# Altium PCB SolderingStation.PcbDoc (part 2 of 2)
Units mm, origin at the board's own origin, x right, y up, seen from the top; angles counter-clockwise.
Board outline 138.15 x 60.81 mm, 2 copper layers (Top Layer, Bottom Layer), stack 1.671 mm thick; 227 components, 141 nets, 684 pads, 483 vias.
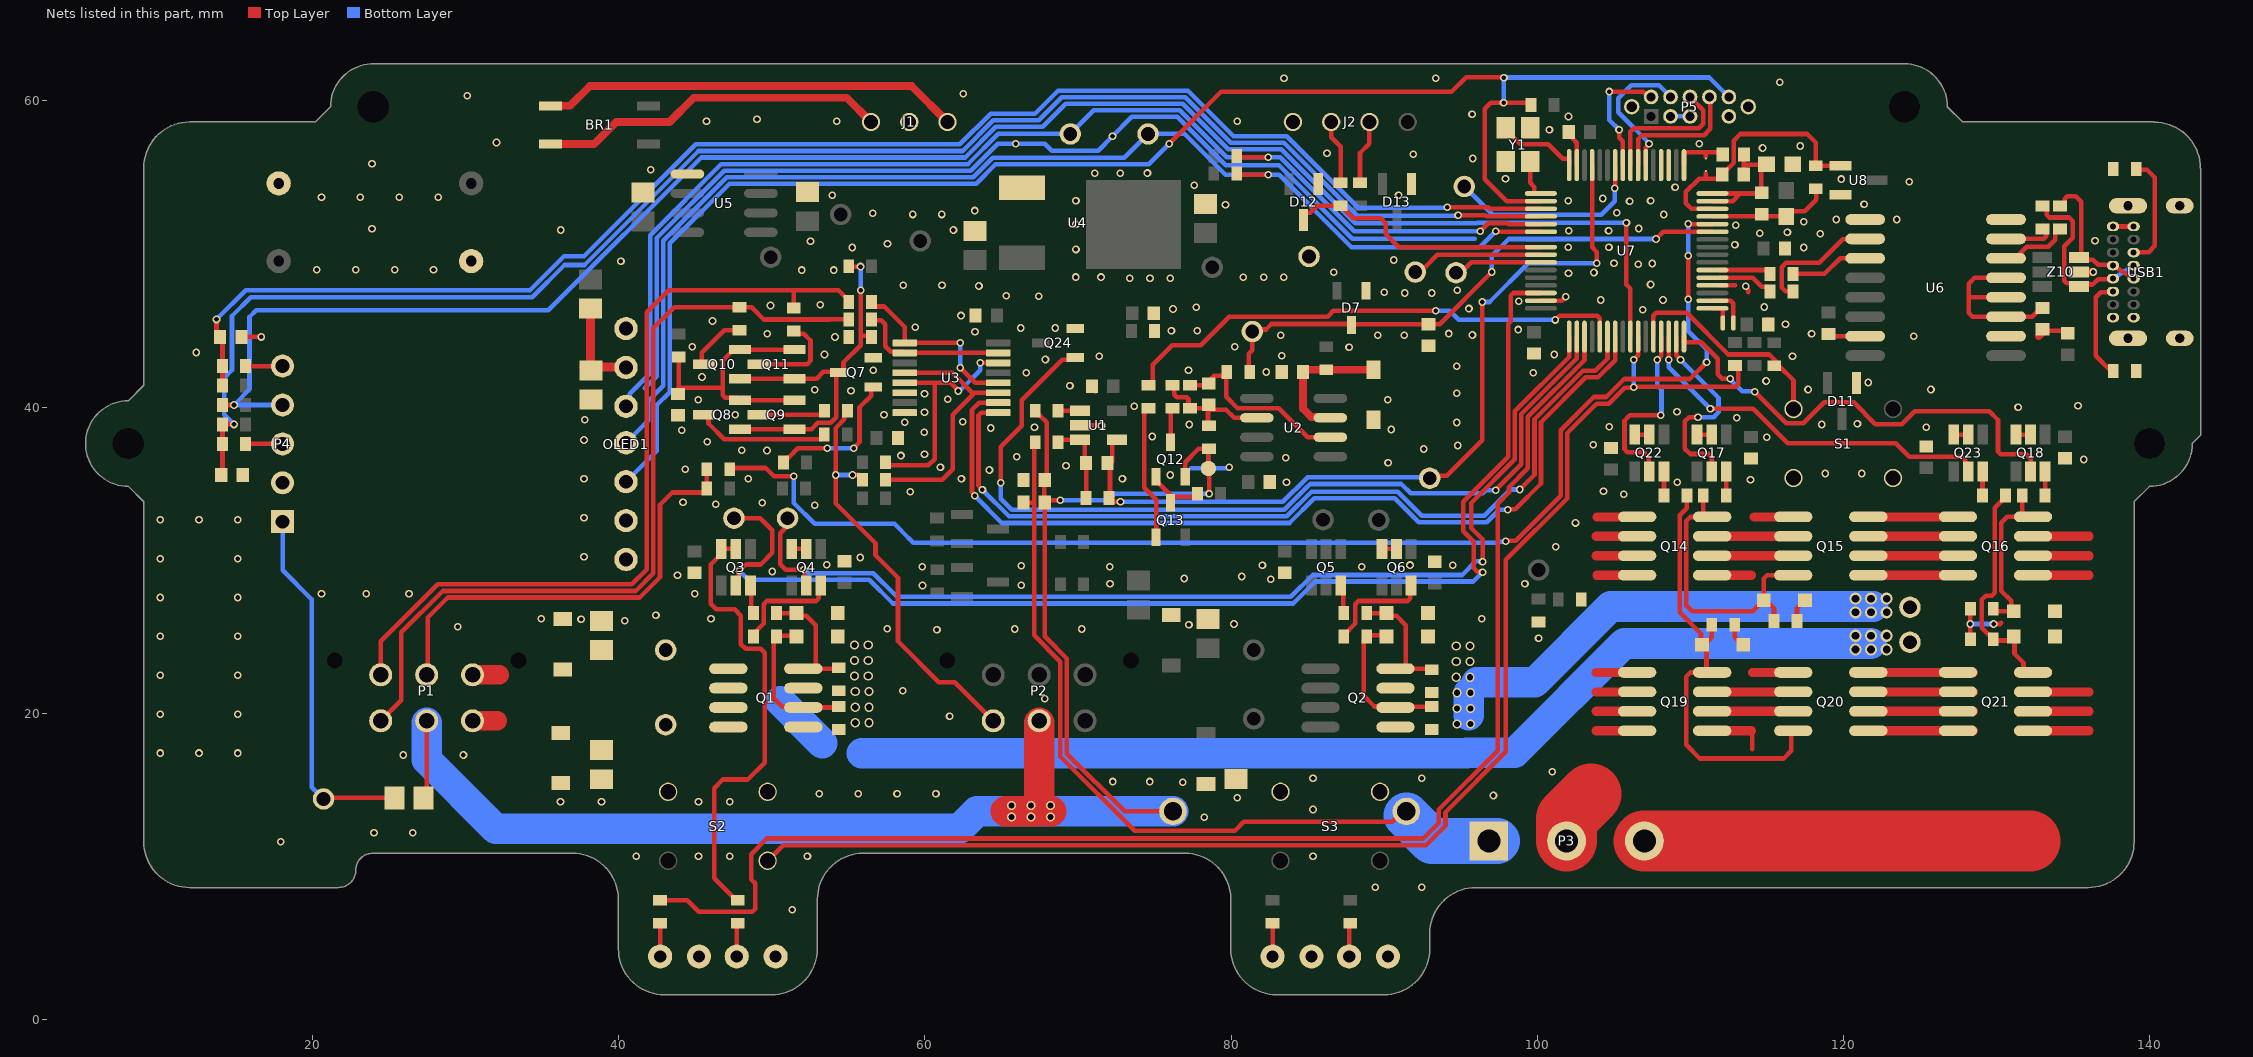
[diagram p2: the nets of this part, all layers, seen from the top]

## Via types
v1: diameter 0.5, hole 0.3, Top Layer to Bottom Layer, tented both sides, 440 vias
v2: diameter 0.6, hole 0.4, Top Layer to Bottom Layer, tented both sides, 30 vias
v3: diameter 0.8, hole 0.5, Top Layer to Bottom Layer, tented both sides, 12 vias
v4: diameter 0.75, hole 0.3, Top Layer to Bottom Layer, tented both sides, 1 vias

## Nets (pads, with @x,y where several pads share a name; then routed paths per layer and width w, separated by ;. In a path a pad name is that pad's centre, name@x,y a point inside that pad or via, vN(x,y) a via of type N, cw(c..) or ccw(c..) an arc to the next point about the centre after c; other vN are vias at no path point) (continued)
CH1b_Thm+: P2.3 R30.1 R38.2 | length 27.2
  Top Layer w0.3: R30.1@54.737,39.752 54.737,39.202 54.164,38.629 v1(54.164,35.56) 54.164,33.701 56.769,31.095 56.769,30.328 58.242,28.854 58.242,24.702 60.908,22.036 61.934,22.036 P2.3@64.461,19.509 ; v1(55.27,35.56) 55.704,35.56 55.904,35.36 R38.2@55.904,35.307
  Bottom Layer w0.3: v1(54.164,35.56) v1(55.27,35.56)
Ch1V12En: Q17.2 U7.63 | length 13.2
  Top Layer w0.3: U7.63@109.077,44.599 109.077,43.375 109.347,43.105 v1(109.347,43.099) ; v1(110.49,39.345) 109.906,39.345 109.626,39.065 109.626,37.287 109.982,36.932 111.176,36.932 111.379,36.728 Q17.2@111.379,35.803
  Bottom Layer w0.3: v1(109.347,43.099) 111.83,40.616 111.83,39.66 111.515,39.345 v1(110.49,39.345)
Ch1V24En: Q18.2 U7.64 | length 30.6
  Top Layer w0.3: U7.64@109.577,44.599 109.577,44.221 110.693,44.221 111.773,43.142 111.773,42.151 112.065,41.859 v1(112.605,41.859) ; v1(114.198,40.996) 116.256,38.938 117.373,38.938 118.745,40.31 120.65,40.31 122.072,38.887 123.81,38.887 124.644,39.721 129.519,39.721 130.086,39.154 130.086,37.082 130.262,36.906 131.933,36.906 132.212,36.627 132.212,35.808 Q18.2@132.207,35.803
  Bottom Layer w0.3: v1(112.605,41.859) 112.605,41.805 112.705,41.705 112.705,41.702 113.384,41.023 114.171,41.023 v1(114.198,40.996)
CH2_ACT: Q3.4 Q3.5 R9.2 | length 30.1
  Top Layer w0.3: Q3.5@47.572,30.599 Q3.5@47.713,30.74 ; Q3.5@47.572,30.74 46.763,30.74 46.588,30.565 46.588,30.306 45.999,29.718 45.999,27.153 46.371,26.781 47.568,26.781 47.973,26.377 47.973,24.519 48.285,24.206 49.276,24.206 49.542,23.941 49.542,16.776 48.438,15.672 46.787,15.672 46.228,15.113 46.228,9.237 47.676,7.789 R9.2@47.776,7.789
CH2_BTN: R54.1 S2.2 U7.58 | length 91.1
  Top Layer w0.3: S2.2@49.726,10.367 50.75,11.392 92.728,11.392 93.996,12.659 93.996,13.54 97.945,17.49 97.945,30.027 101.944,34.025 101.944,38.307 103.864,40.227 104.669,40.227 105.705,41.264 106.261,41.264 v1(106.299,41.302) ; v1@106.299,41.321 112.956,41.321 113.132,41.497 R54.1@113.132,42.545 ; v1(106.299,43.099) 106.301,43.099 106.577,43.375 U7.58@106.577,44.599
  Bottom Layer w0.3: v1(106.299,41.302) v1@106.299,43.077
CH2_ID: P1.5 R11.1 R13.1 | length 29.4
  Top Layer w0.3: P1.5@27.456,22.509 27.537,22.591 27.537,26.257 28.841,27.56 41.378,27.56 42.697,28.88 42.697,33.63 43.486,34.418 R11.1@45.744,34.418 ; R11.1@45.744,34.672 R13.1@45.744,35.942
CH2_ID2: R13.2 U7.12 | length 85.1
  Top Layer w0.3: R13.2@47.244,35.942 47.322,36.02 49.603,36.02 50.144,35.479 v1(51.435,35.479) ; v1(97.936,31.234) 97.974,31.272 98.587,31.272 101.517,34.202 101.517,38.484 103.687,40.654 104.492,40.654 105.666,41.829 109.952,41.829 v1(111.049,42.926) ; v1(109.855,47.036) v1(109.855,49.886) ; v1(109.855,51.976) 109.882,51.949 U7.12@111.427,51.949
  Bottom Layer w0.3: 51.435,35.225 51.435,33.731 52.799,32.367 58.008,32.367 58.959,31.417 58.962,31.417 59.24,31.139 97.483,31.139 97.54,31.196 97.898,31.196 v1(97.936,31.234) ; v1(109.855,47.036) 109.855,44.958 111.049,43.764 v1(111.049,42.926) ; v1(109.855,49.886) v1(109.855,51.976)
CH2_SB: D12.3 R56.1 U7.40 | length 17.6
  Top Layer w0.3: D12.3@84.733,52.269 84.733,52.544 84.883,52.694 85.158,52.694 85.616,53.152 R56.1@87.146,53.152 87.246,53.152 87.446,52.952 87.446,52.852 87.974,52.324 89.759,52.324 90.094,51.989 90.094,51.303 90.948,50.449 U7.40@100.227,50.449
CH2_SEL: R62.2 U7.51 | length 91.7
  Top Layer w0.3: R62.2@42.696,7.789 44.486,7.789 45.236,7.039 48.731,7.039 48.907,7.215 48.907,8.891 48.653,9.145 48.653,10.796 49.675,11.819 92.551,11.819 93.569,12.836 93.569,13.717 97.409,17.557 97.409,33.68 98.146,34.417 98.146,34.773 99.382,36.009 99.382,39.368 103.077,43.063 U7.51@103.077,44.599
CH2a_DRVn: D2a.1 Q3.2 U7.46 | length 80.4
  Top Layer w0.3: D2a.1@47.523,32.741 49.251,32.741 50.038,31.953 50.038,30.48 49.276,29.718 48.285,29.718 47.841,29.273 47.841,28.468 Q3.2@47.713,28.34 ; v1(96.418,29.205) 96.38,29.243 96.075,29.243 95.834,29.485 95.834,31.212 95.148,31.898 95.148,33.806 98.101,36.758 98.101,45.439 98.247,45.585 98.247,47.273 98.423,47.449 U7.46@100.227,47.449
  Bottom Layer w0.3: v1(47.879,29.312) 48.463,28.727 56.359,28.727 57.915,27.172 84.06,27.172 85.494,28.606 95.819,28.606 v1(96.418,29.205)
CH2a_Htr+: C3.1 D1.K H2a.1 P1.4 Q1.5 Q1.6 | length 1.7
  Top Layer w1.27: P1.4@30.471,22.514 32.193,22.514
CH2a_Thm+: P1.6 R31.1 R36.2 | length 53.8
  Top Layer w0.3: P1.6@24.456,22.509 24.456,24.699 28.171,28.414 40.86,28.414 41.834,29.388 41.834,46.203 43.258,47.626 51.525,47.626 ; R31.1@51.435,46.47 51.435,47.536 51.525,47.626 ; R36.2@54.91,46.722 54.91,47.069 54.353,47.626 51.525,47.626
CH2b_DRVn: D2b.1 Q4.2 U7.49 | length 69.3
  Top Layer w0.3: D2b.1@51.029,32.244 50.546,31.761 50.546,29.736 50.907,29.375 v1(52.094,29.375) ; D2b.1@51.029,32.498 D2b.1@51.029,32.741 ; Q4.2@52.121,28.34 v1@52.121,29.261 ; v1(96.418,29.891) 96.418,31.364 95.682,32.101 95.682,33.735 98.528,36.581 98.528,39.722 102.077,43.271 U7.49@102.077,44.599
  Bottom Layer w0.3: v1(52.094,29.375) 52.148,29.375 52.369,29.154 56.621,29.154 58.177,27.599 83.883,27.599 85.318,29.033 95.103,29.033 95.986,29.916 96.393,29.916 v1(96.418,29.891)
CH2b_Htr+: C4.1 D2.K H2b.1 P1.1 Q1.7 Q1.8 | length 1.7
  Top Layer w1.27: P1.1@30.344,19.514 32.066,19.514
CH2b_Thm+: P1.3 R33.1 R34.2 | length 54.1
  Top Layer w0.3: P1.3@24.456,19.509 25.799,20.853 25.799,25.281 28.506,27.987 41.119,27.987 42.266,29.134 42.266,45.163 43.623,46.521 48.678,46.521 49.479,45.72 53.772,45.72 53.773,45.721 R34.2@55.015,45.721
Ch2V12En: Q22.2 U7.61 | length 12.5
  Top Layer w0.3: Q22.2@107.315,35.803 107.265,35.853 107.265,36.727 106.934,37.059 105.865,37.059 105.689,37.234 105.689,39.116 106.045,39.472 v1(108.052,39.472) ; v1(107.823,43.099) 108.077,43.353 U7.61@108.077,44.599
  Bottom Layer w0.3: v1(107.823,43.099) 107.823,41.402 108.106,41.119 108.106,39.667 108.09,39.651 108.09,39.51 v1(108.052,39.472)
Ch2V24En: Q23.2 U7.62 | length 24.7
  Top Layer w0.3: U7.62@108.577,44.599 108.577,43.107 v1(108.585,43.099) ; v1(111.303,39.878) 114.108,39.878 115.397,38.589 116.343,37.643 123.393,37.643 124.285,36.751 127.719,36.751 127.943,36.527 127.943,36.003 Q23.2@128.143,35.803
  Bottom Layer w0.3: v1(108.585,43.099) 108.585,42.596 v1(111.303,39.878)
Clamp: Q24.1 U7.50 | length 57.6
  Top Layer w0.3: v1(64.948,35.052) 64.948,37.414 66.319,38.786 66.319,40.437 68.968,43.086 69.675,43.086 Q24.1@69.825,43.236 ; v1(97.282,34.569) 97.282,34.59 98.955,36.263 98.955,39.545 102.577,43.167 U7.50@102.577,44.599
  Bottom Layer w0.3: v1(64.948,35.052) 64.948,34 65.666,33.282 83.454,33.282 85.069,34.897 85.082,34.897 85.16,34.976 91.11,34.976 91.723,34.363 96.436,34.363 96.642,34.569 v1(97.282,34.569)
COM: C9.1 C14.1 L2.2 NT1.2 P1.2 P2.2 Q12.2 R14.2 R19.2 R26.1 | length 115.5
  Top Layer w0.3: L2.2@27.063,14.54 27.251,14.352 27.456,14.557 P1.2@27.456,19.382 ; R14.2@67.195,39.751 67.195,39.651 67.395,39.451 67.495,39.451 67.945,39.001 67.945,35.267 C14.1@67.982,35.23 ; C9.1@67.779,33.757 C14.1@67.779,35.23 ; v1(68.834,33.903) 68.128,33.903 67.818,33.592 67.818,25.032 69.273,23.577 69.273,17.354 73.038,13.589 R19.2@76.2,13.589 ; Q12.2@76.998,35.451 76.998,36.407 77.868,37.277 78.484,37.277 R26.1@78.591,37.384 ; NT1.2@78.511,35.992 R26.1@78.511,37.277 ; v1(78.556,34.336) NT1.2@78.556,35.984
  Top Layer w2: 65.278,13.589 68.258,13.589 ; 67.461,14.366 P2.2@67.461,19.382
  Bottom Layer w0.3: v1(68.834,33.903) 71.973,33.903 72.407,34.336 v1(78.556,34.336)
  Bottom Layer w2: P1.2@27.456,19.382 27.456,16.959 31.968,12.447 62.242,12.447 63.383,13.589 R19.2@76.2,13.589
  other v2: 65.659,13.233 66.929,13.233 68.199,13.233 65.659,13.97 66.929,13.97 68.199,13.97
EARTH: ER.1 L2.1 P4.1 | length 23.9
  Top Layer w0.3: ER.1@20.725,14.405 20.799,14.479 L2.1@25.351,14.479
  Bottom Layer w0.3: P4.1@18.046,32.513 18.046,29.338 19.951,27.433 19.951,15.179 ER.1@20.725,14.405
EXTAL: U7.32 Y1.3 | length 5.5
  Top Layer w0.3: Y1.3@97.931,58.238 97.931,58.138 98.899,57.171 100.705,57.171 101.653,56.223 102.077,56.223 U7.32@102.077,55.799
EXTAL32: U7.20
GAIN: R35.2 U7.53 | length 33.6
  Top Layer w0.3: R35.2@74.672,41.492 74.872,41.692 74.872,42.767 76.149,44.044 78.003,44.044 79.869,45.91 86.296,45.91 86.665,46.279 v1(93.37,46.279) ; v1(101.168,45.69) 101.448,45.969 103.901,45.969 104.077,45.793 U7.53@104.077,44.599
  Bottom Layer w0.3: v1(93.37,46.279) 94.285,46.279 94.874,45.69 v1(101.168,45.69)
GND: C1.2 C2.2 C3.2 C4.2 C5.2 C6.2 C7.2 C8.2 C11.2 C12.2 C13.2 C14.2 C17.1 C18.2 C19.2 C20.2 C21.1 C22.2 C23.1 C24.2 C25.1 C26.1 C27.1 C28.2 C29.2 C32.1 C33.1 C34.1 C35.1 C36.1 C38.1 C40.1 C41.1 C42.1 C43.1 D1.A D2.A D3.A D4.A D5.K D6.K D7.1 D8.A D11.1 D12.1 D13.1 D14.K D15.K Gnd.1 J1.2 J2.4 L5.1 NT1.1 OLED1.1 OLED1.2 OLED1.7 P4.2 P5.0 P5.3 P5.5 P5.9 Q7.2 Q24.2 R21.1 R49.1 R72.1 S1.1 S1.1b S2.1 S2.1b S3.1 S3.1b U1.2 U3.6 U3.8 U4.1 U5.5 U6.9 U6.15 U7.4 U7.31 U7.47 U8.2 Y1.2 Y1.4 | length 87.8
  Top Layer w0.3: C36.1@15.506,44.578 v1(16.649,44.578) ; C3.2@38.744,26.151 C3.2@38.874,26.021 ; U1.2@70.135,38.813 v1@71.526,38.813 ; C11.2@70.753,41.351 70.77,41.351 C11.2@71.12,41.001 ; U7.47@100.227,46.949 101.586,46.949 101.851,47.214 v1(101.854,47.214) ; C41.1@101.893,57.958 101.943,57.958 102.293,57.608 102.293,57.558 102.577,57.274 U7.31@102.577,55.799 ; U7.4@111.866,47.952 112.919,47.952 ; P5.9@112.51,58.98 P5.9@112.507,58.982 P5.9@112.531,58.982 ; v1(113.614,47.879) 113.614,47.825 113.784,47.655 113.784,47.502 ; P5.0@113.777,59.416 P5.0@113.777,59.617 ; C33.1@115.061,45.74 115.233,45.568 C33.1@115.349,45.568 ; C32.1@119.173,44.711 119.253,44.631 U6.15@121.408,44.631 U6.15@121.889,44.631
  Top Layer w0.6: P4.2@17.802,35.053 P4.2@18.046,35.053
  Bottom Layer w0.3: 41.694,41.237 42.478,42.022 42.478,51.042 46.88,55.443 62.987,55.443 64.748,57.204 v1(65.937,57.204) 67.825,57.204 68.285,56.744 71.308,56.744 v1(72.249,57.685) 73.518,58.953 76.472,58.953 79.646,55.78 83.122,55.78 87.904,50.998 95.917,50.998 ; 77.394,35.992 NT1.1@78.511,35.992 ; NT1.1@78.511,35.789 NT1.1@78.511,35.992 ; 78.511,36.855 NT1.1@78.511,35.992 ; v1@79.807,35.992 NT1.1@78.511,35.992 ; P5.3@108.697,58.982 P5.5@109.967,58.982 ; P5.9@112.507,58.982 P5.9@112.531,58.982
  other v1: 51.332,7.166 89.408,8.636 92.456,8.636 41.148,10.668 45.212,10.668 47.244,10.668 52.324,10.668 85.344,10.668 17.931,11.611 24.015,12.193 26.555,12.193 78.232,13.208 85.344,13.716 36.195,14.224 38.874,14.225 45.212,14.224 47.244,14.224 80.391,14.478 97.13,14.63 53.098,14.733 55.638,14.733 58.178,14.733 60.718,14.733 76.835,15.494 72.263,15.54 74.676,15.54 85.344,15.748 92.456,15.748 100.965,16.175 25.92,17.273 29.857,17.273 10.045,17.4 12.585,17.4 15.125,17.4 61.607,19.813 10.045,19.94 15.125,19.94 67.83,20.956 58.559,21.464 10.045,22.48 15.125,22.48 100.076,24.892 10.045,25.02 15.125,25.02 60.782,25.451 65.862,25.502 70.231,25.502 57.543,25.528 29.476,25.655 77.241,25.781 80.188,25.832 40.398,26.036 34.937,26.163 37.539,26.151 46.025,26.162 96.368,26.183 42.43,26.392 10.045,27.56 15.125,27.56 20.586,27.814 23.507,27.814 26.301,27.814 44.958,27.813 59.842,28.346 66.294,28.367 72.085,28.448 99.187,28.448 82.575,28.753 76.937,28.804 80.696,28.931 43.84,29.007 50.038,29.261 59.817,29.577 72.06,29.577 88.519,29.566 66.294,29.637 82.042,29.667 91.679,29.679 94.463,29.662 53.594,29.693 10.045,30.1 15.125,30.1 55.778,30.175 37.731,30.227 101.194,30.882 102.489,32.431 10.045,32.64 12.585,32.64 15.125,32.64 37.731,32.767 52.807,33.579 46.33,33.655 49.378,33.757 44.196,33.782 105.639,34.315 59.03,34.468 104.318,34.493 83.617,35.077 109.144,35.077 113.919,35.255 37.731,35.307 48.463,35.306 62.382,35.306 72.898,35.306 76.022,35.56 118.796,35.662 121.183,35.662 64.211,35.89 44.335,35.942 61.011,36.068 79.883,36.068 69.215,36.17 90.246,36.373 135.687,36.576 83.566,36.678 65.989,36.754 58.432,36.831 59.969,36.906 49.682,37.16 48.031,37.186 92.583,37.257 94.793,37.486 103.657,37.541 45.771,37.744 37.731,37.847 114.986,38.024 74.854,38.075 59.944,38.354 44.12,38.481 90.449,38.532 64.287,38.633 67.158,38.684 125.4,38.684 104.699,38.71 71.526,38.786 77.267,38.862 118.567,38.862 120.904,38.913 94.742,38.989 58.674,39.014 62.459,39.04 37.77,39.167 113.03,39.294 47.6,39.497 57.328,39.497 59.969,39.649 109.118,39.7 131.394,39.98 73.66,40.056 135.306,40.081 45.187,40.488 90.221,40.488 61.493,40.513 59.969,40.869 94.742,40.894 55.169,41.072 52.807,41.123 117.678,41.148 125.705,41.143 69.469,41.402 121.615,41.605 114.935,41.702 45.441,41.961 66.624,42.24 99.72,42.235 82.296,42.291 56.617,42.393 77.216,42.393 94.742,42.672 67.869,43.104 71.374,43.307 116.662,43.307 83.312,43.358 53.442,43.434 101.092,43.434 12.403,43.562 87.7,43.9 44.806,43.942 80.239,43.942 54.127,44.577 124.587,44.623 83.236,44.679 89.573,44.7 91.3,44.7 95.758,44.704 49.708,44.78 117.907,44.78 94.2,44.8 63.271,44.907 76.098,44.983 77.775,44.983 98.755,45.06 66.255,45.163 68.504,45.161 59.36,45.215 116.205,45.415 46.126,45.618 62.357,45.974 106.883,46.355 76.2,46.406 95.529,46.431 77.724,46.507 114.808,46.533 49.911,46.634 53.162,46.685 98.774,46.914 104.14,46.99 108.204,46.99 67.437,47.244 65.303,47.269 91.338,47.447 93.091,47.447 89.992,47.498 94.767,47.625 63.525,47.904 58.572,47.955 61.112,47.955 107.391,48.006 73.381,48.412 74.701,48.412 76.022,48.412 69.85,48.489 71.501,48.489 80.797,48.485 82.118,48.485 83.439,48.485 102.032,48.743 86.69,48.793 103.694,48.787 51.951,48.946 54.051,48.946 20.281,48.973 22.821,48.973 25.361,48.973 27.901,48.973 106.578,49.327 105.004,49.384 107.493,49.378 40.144,49.531 90.627,49.606 69.862,50.293 55.257,50.42 117.399,50.419 102.006,50.446 104.673,50.444 112.903,50.597 57.556,50.673 52.527,50.825 118.466,51.308 114.529,51.359 116.332,51.41 102.057,51.505 104.648,51.505 36.207,51.563 61.861,51.563 23.888,51.646 106.629,51.664 112.954,51.867 69.862,51.944 117.399,52.095 119.531,52.251 123.468,52.251 59.194,52.579 61.099,52.579 108.255,52.578 56.591,52.654 105.181,52.68 63.258,52.833 79.629,53.213 121.336,53.238 106.02,53.442 69.862,53.468 102.006,53.467 107.391,53.467 104.267,53.619 20.586,53.697 23.126,53.697 25.666,53.697 28.206,53.697 53.95,53.823 90.932,53.843 108.991,54.356 77.597,54.483 124.282,54.712 119.837,54.889 97.917,54.91 71.095,55.27 72.746,55.27 74.531,55.282 42.085,55.489 23.888,55.881 95.783,56.236 91.897,56.51 86.258,56.586 114.706,56.921 117.17,57.048 110.566,57.201 32.016,57.278 100.787,58.11 45.732,58.675 54.241,58.675 80.391,58.674 49.034,58.802 102.032,58.974 95.733,59.126 30.111,60.326 62.496,60.453 115.824,61.214 83.451,61.469 93.357,61.469
Gnd_USB: C30.1 C31.1 R55.2 R58.2 U6.2 U6.8 USB1.A1 USB1.A12 USB1.B1 USB1.B12 USB1.SH Z10.2 | length 4.7
  Top Layer w0.3: 132.7,44.631 C31.1@132.993,44.924 ; C31.1@132.993,44.877 133.089,44.973 C30.1@134.644,44.973 ; USB1.A12@137.596,51.792 USB1.B1@138.945,51.792
  Top Layer w0.508: 132.747,44.631 C31.1@132.993,44.877 ; Z10.2@135.374,48.822 v1(136.295,48.822)
  other v1: 136.422,50.854
MUX_SEL0: U3.9 U7.54 | length 56.9
  Top Layer w0.3: v1(63.754,34.59) 63.754,34.612 63.5,34.866 63.5,39.461 63.676,39.636 U3.9@64.684,39.636 ; v1(98.857,34.615) 99.809,35.568 99.809,39.192 102.98,42.362 103.784,42.362 104.577,43.155 U7.54@104.577,44.599
  Bottom Layer w0.3: v1(63.754,34.59) 65.489,32.855 83.631,32.855 85.246,34.47 90.879,34.47 92.445,32.904 96.522,32.904 98.233,34.615 v1(98.857,34.615)
MUX_SEL1: U3.10 U7.55 | length 59.6
  Top Layer w0.3: v1(63.246,34.209) 63.246,34.263 63.073,34.436 63.073,39.813 63.546,40.286 U3.10@64.684,40.286 ; v1(98.075,33.289) 98.113,33.327 98.559,33.327 100.236,35.004 100.236,39.015 103.157,41.935 103.961,41.935 105.077,43.051 U7.55@105.077,44.599
  Bottom Layer w0.3: v1(63.246,34.209) 65.027,32.428 83.808,32.428 85.423,34.043 90.696,34.043 92.262,32.477 96.699,32.477 97.511,33.289 v1(98.075,33.289)
NetBR1_3: BR1.3 J1.1 | length 27.4
  Top Layer w0.508: BR1.3@35.547,59.671 36.822,59.671 38.112,60.961 59.132,60.961 J1.1@61.476,58.617
NetBR1_4: BR1.4 J1.3 | length 22.8
  Top Layer w0.508: BR1.4@35.547,57.171 38.386,57.171 39.832,58.617 43.319,58.617 44.901,60.199 54.894,60.199 J1.3@56.476,58.617
NetC10_1: C10.1 R16.1 R17.1 U1.3 | length 5.1
  Top Layer w0.3: R16.1@68.783,37.797 68.849,37.863 U1.3@70.185,37.863 ; U1.3@70.446,37.797 70.446,36.678 70.522,36.601 R17.1@70.522,34.138
NetC12_1: C12.1 D8.K R22.2 U2.7 | length 9.1
  Top Layer w0.508: U2.7@86.48,39.297 85.655,39.297 85.609,39.343 85.244,39.343 84.698,39.889 84.698,42.095 84.633,42.16 84.633,42.219 84.844,42.43 R22.2@86.208,42.43 89.29,42.43 D8.K@89.3,42.44
NetC16_1: C16.1 R26.2 R27.1 R28.1 U2.2 | length 7.1
  Top Layer w0.3: R27.1@76.196,41.417 R27.1@76.198,41.419 ; R27.1@76.225,41.415 76.277,41.363 76.277,40.816 76.453,40.64 77.115,40.64 77.215,40.54 77.215,39.989 77.29,39.914 77.292,39.915 78.411,39.915 C16.1@78.461,39.866 ; R26.2@78.484,38.777 78.484,39.817 79.664,39.817 80.191,39.29 U2.2@80.836,39.29
NetC16_2: C16.2 R28.2 R29.2 U2.6 | length 12.5
  Top Layer w0.3: R28.2@77.292,41.415 78.31,41.415 78.461,41.566 78.461,41.616 78.881,42.037 79.517,42.037 79.641,42.161 79.68,42.122 79.68,40.665 80.416,39.929 83.109,39.929 85.01,38.027 U2.6@86.48,38.027 ; C16.2@78.461,41.559 C16.2@78.727,41.293
NetC17_2: C17.2 Q8.2 Q9.2 Q10.2 Q11.2 R24.2 | length 17.1
  Top Layer w0.3: C17.2@43.866,41.007 44.108,41.25 46.787,41.25 ; 43.885,41.268 43.917,41.3 R24.2@43.917,43.268 ; 49.671,43.75 47.498,43.75 47.348,43.6 47.348,43.597 46.787,43.037 46.787,41.25 ; 49.694,43.75 Q11.2@51.479,43.75 ; Q9.2@51.479,40.448 Q8.2@47.923,40.448 47.773,40.598 46.963,40.598 46.787,40.774 46.787,41.25
NetC40_2: C40.2 L3.2 OLED1.6 | length 6.6
  Top Layer w0.6: C40.2@37.731,42.612 40.449,42.612 OLED1.6@40.476,42.585 ; C40.2@38.151,42.608 L3.2@38.151,46.442
NetD5_A: D5.A R9.1 | length 2.3
  Top Layer w0.3: D5.A@47.766,4.177 D5.A@47.706,4.117 47.706,6.219 R9.1@47.776,6.289
NetD6_A: D6.A R10.1 | length 2.4
  Top Layer w0.3: R10.1@87.781,6.289 87.706,6.214 D6.A@87.706,4.117 D6.A@87.858,4.269
NetD14_A: D14.A R59.2 | length 2.3
  Top Layer w0.3: R59.2@82.701,6.289 82.706,6.284 D14.A@82.706,4.117 D14.A@82.792,4.203
NetD15_A: D15.A R62.1 | length 2.2
  Top Layer w0.3: R62.1@42.696,6.289 42.706,6.279 D15.A@42.706,4.117 D15.A@42.726,4.137
NetJ2_2: J2.2 R52.2 | length 4.2
  Top Layer w0.3: R52.2@88.416,54.652 88.416,56.589 89.031,57.204 J2.2@89.031,58.617
NetJ2_3: J2.3 R56.2 | length 4.2
  Top Layer w0.3: J2.3@86.531,58.617 86.531,57.627 87.146,57.012 R56.2@87.146,54.652
NetP4_3: P4.3 R67.1 | length 2.4
  Top Layer w0.3: R67.1@15.621,37.593 P4.3@18.046,37.593
NetP4_5: P4.5 R66.1 | length 2.4
  Top Layer w0.3: R66.1@15.621,42.673 P4.5@18.046,42.673
NetQ1_2: Q1.2 R2.1 R6.2 Z2.A | length 9.7
  Top Layer w0.3: R6.2@50.19,25.071 51.502,25.071 Z2.A@51.522,25.091 ; R6.2@50.3,25.02 50.124,24.845 50.124,20.992 50.684,20.433 51.998,20.433 Q1.2@52.057,20.374 54.052,20.374 R2.1@54.114,20.436
NetQ1_4: Q1.4 R1.1 R5.2 Z1.A | length 7.6
  Top Layer w0.3: R5.2@50.19,26.544 50.194,26.54 Z1.A@51.268,26.54 ; Z1.A@51.333,26.413 Z1.A@51.379,26.367 ; Z1.A@51.522,26.54 51.7,26.362 52.246,26.362 52.861,25.747 Q1.4@52.861,23.025 ; Q1.4@52.057,22.914 52.861,22.914 54.052,22.914 R1.1@54.114,22.976
NetQ2_2: Q2.2 R4.1 R8.2 Z4.A | length 9.8
  Top Layer w0.3: R8.2@88.85,25.02 88.656,24.827 88.656,21.143 89.36,20.439 90.662,20.439 Q2.2@90.727,20.374 90.789,20.436 R4.1@92.784,20.436 ; R8.2@88.86,25.147 88.916,25.091 Z4.A@90.192,25.091
NetQ2_4: Q2.4 R3.1 R7.2 Z3.A | length 7.7
  Top Layer w0.3: R7.2@88.744,26.54 Z3.A@89.818,26.54 ; Z3.A@90.25,26.362 90.796,26.362 91.411,25.747 Q2.4@91.411,23.025 ; Q2.4@90.566,23.075 Q2.4@90.727,22.914 R3.1@92.722,22.914 ; R3.1@92.784,22.976 R3.1@92.722,22.914 ; R3.1@92.849,22.849 92.784,22.914 R3.1@92.722,22.914
NetQ3_1: Q3.1 R5.1 | length 1.8
  Top Layer w0.3: Q3.1@48.663,28.34 48.663,26.572 R5.1@48.69,26.544
NetQ4_1: Q4.1 R6.1 | length 7
  Top Layer w0.3: R6.1@48.69,25.071 R6.1@48.69,25.171 ; R6.1@48.74,25.121 49.479,25.86 49.479,27.129 49.68,27.33 52.895,27.33 53.071,27.506 Q4.1@53.071,28.34
NetQ4_4: Q4.4 Q4.5 | length 1
  Top Layer w0.3: Q4.4@51.171,30.74 Q4.5@52.121,30.74
NetQ5_1: Q5.1 R7.1 | length 1.8
  Top Layer w0.3: Q5.1@87.333,28.34 87.333,26.572 R7.1@87.36,26.544